# KiCad board raw.kicad_pcb (continued)
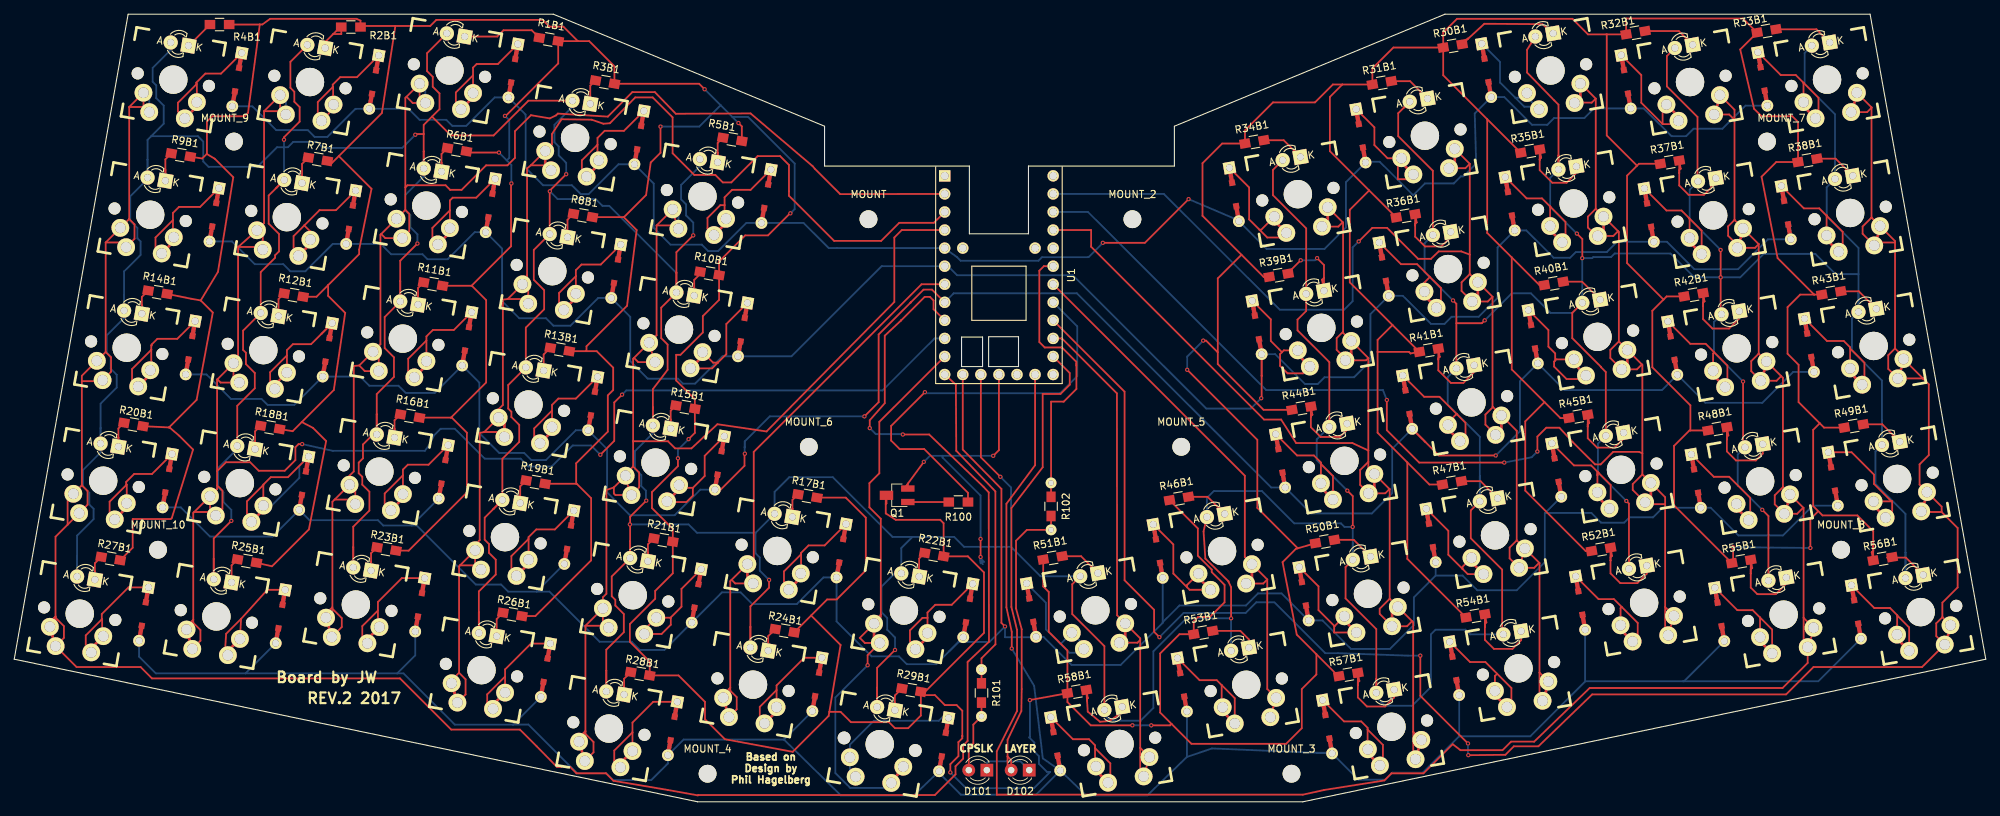
[diagram p0: board, top side]
## Routing (per net, layer and track width the routed paths; a pad name or vN(x,y) marks a point on that pad's centre or on a via; arc(x,y) is an arc through that point)
Net-(D1-Pad1): length 278.8
  Top w0.254: v1(152.95,78.6) 158.85,78.6 v1(165,84.75)
  Bottom w0.254: 115.56,77.86 114.44,77.86 110.9,81.4 D5.1 102.85,81.4 98.9,77.45 97.5,77.45 96.6,78.35 92.2,78.35 89.85,80.7 89.85,86.94 D3.1 84.9,89.65 80.7,85.45 79.6,85.45 78.35,86.7 74.3,86.7 71.85,89.15 71.85,96.64 D1.1 67.5,99.05 63.5,95.05 61.55,95.05 60.7,95.9 56.95,95.9 55.4,97.45 D2.1 47.95,97.45 44,93.5 42.2,93.5 41.25,94.45 36.8,94.45 33.45,97.8 D4.1 ; 115.56,77.86 115.58,77.86 ; 115.56,77.86 115.58,77.86 ; D31.1 189.96,90 ; 189.96,90 187.1,87.14 187.1,80.75 184.1,77.75 175.96,77.75 D34.1 ; 189.96,90 191.85,90 196.55,85.3 198.2,86.95 202.25,86.95 203.25,87.95 203.55,87.95 203.75,88.1 205.4,89.75 205.2,96.79 D30.1 209.35,99.1 213.25,95.2 215.4,95.2 216.35,96.15 220.6,96.15 221.95,97.5 D32.1 228.95,97.5 232.85,93.6 234.9,93.6 235.95,94.65 240,94.65 243.25,97.9 D33.1 ; v1(152.95,78.6) 150.94,76.59 144.41,76.59 143.9,76.08 132.98,76.08 132.47,76.59 130.73,77.82 U1.5 115.58,77.86 ; 171.99,81.72 D34.1 ; 171.99,81.72 171.91,81.8 v1(165,84.75) ; 171.99,81.72 D34.1
Net-(D1-Pad2): length 22.3
  Top w0.254: 62.05,98.35 62.77,97.63 62.77,97.51 ; 62.05,98.35 62.05,99.75 64.46,102.16 ; 62.05,98.35 62.05,98.1 SW_1.SW2 ; 64.46,102.16 64.46,100.33 ; 64.46,102.16 64.46,103.24 64.97,103.75 67.96,103.75 D1.2 ; 64.46,100.33 64.46,99.67 64.46,100.33 ; 62.77,97.51 SW_1.SW2 ; 62.77,97.51 SW_1.SW2
  Top w0.381: 64.46,99.67 64.46,99.08 SW_1.SW2
Net-(D2-Pad2): length 21
  Top w0.254: 51.2,104.94 D2.2 51.2,104.94 ; 51.2,104.94 48.16,101.9 45.8,101.9 44.75,100.85 44.75,100.5 ; 44.83,98.08 44.8,98.11 44.8,100.55 44.75,100.5 ; 44.83,98.08 44.86,98.05 SW_2.SW2 ; 44.83,98.08 SW_2.SW2 ; 44.75,100.5 42.65,98.4 42.65,96.29 SW_2.SW2 ; SW_2.SW2 44.86,97.46 SW_2.SW2 ; SW_2.SW2 42.73,95.77
  Top w0.381: 44.86,97.46 SW_2.SW2
Net-(D3-Pad2): length 21
  Top w0.254: 80.42,87.92 79.53,87.92 ; 80.42,87.92 SW_3.SW2 ; 80.42,87.92 79.75,88.59 79.75,90.2 81.95,92.4 ; 81.95,92.4 81.95,93.35 82.95,94.35 85.66,94.35 D3.2 ; 81.95,92.4 81.95,90.36 82.03,90.28 ; 82.03,90.28 82.11,90.2 ; 82.03,90.28 82.11,90.2
  Top w0.381: 82.11,90.2 82.11,89.61 80.42,87.92
Net-(D4-Pad2): length 22.1
  Top w0.254: 23.1,96.9 23.89,96.11 SW_4.SW2 23,97.07 23,98.3 25.58,100.87 ; D4.2 29.06,102.4 26.85,102.4 25.58,101.12 25.58,100.87 ; 25.66,99.05 25.66,98.39 25.66,99.05 ; 25.66,99.05 25.66,100.96 25.58,100.87
  Top w0.381: SW_4.SW2 25.66,97.8 25.66,98.39
Net-(D5-Pad2): length 20.3
  Top w0.254: 98.32,79.7 97.4,80.62 97.4,82.1 99.2,83.9 99.8,83.9 ; 100.01,81.98 99.91,82.09 ; 99.91,82.09 SW_5.SW2 ; 99.91,82.09 99.8,82.19 99.8,83.9 ; D5.2 103.46,86.05 100.85,86.05 99.8,85 99.8,83.9
  Top w0.381: 100.01,81.98 100.01,81.39 SW_5.SW2 98.32,79.7
Net-(D6-Pad2): length 21.8
  Top w0.254: 61.21,81.33 61.21,83.16 ; 61.21,81.33 61.21,80.67 ; 61.21,81.33 61.21,81.33 61.21,80.67 ; 61.21,83.16 61.21,84.56 61.6,84.95 64.91,84.95 D6.2 ; 61.21,83.16 58.75,80.7 58.75,79.15 59.52,78.39 58.96,78.39
  Top w0.381: 59.52,78.39 SW_6.SW2 61.21,80.08 61.21,80.67
Net-(D7-Pad2): length 20.1
  Top w0.254: 40.75,81.05 39.25,79.55 39.25,77.44 SW_7.SW2 ; 40.75,81.05 41.61,80.19 41.61,79.05 ; 40.75,81.05 42.9,83.2 45.21,83.2 D7.2 ; 41.61,78.75 41.61,78.75 SW_7.SW2
  Top w0.381: 41.61,79.05 41.61,78.46 39.92,76.77
Net-(D8-Pad2): length 21.2
  Top w0.254: 77.22,69.17 76.55,69.84 76.55,71.55 78.91,73.91 ; 77.22,69.17 76.78,69.17 ; 77.22,69.17 SW_8.SW2 ; 78.91,73.91 78.91,74.76 79.7,75.55 82.41,75.55 D8.2 ; 78.91,73.91 78.91,72.11 ; 78.91,72.11 78.91,72.11 SW_8.SW2 ; 78.91,72.11 78.91,71.45
  Top w0.381: 77.22,69.17 78.91,70.86 78.91,71.45
Net-(D9-Pad2): length 22.6
  Top w0.254: 19.9,77.92 19.85,77.97 19.85,79.35 22.3,81.8 ; 19.9,77.92 20.72,77.11 19.9,77.92 ; 22.3,81.8 22.3,82.8 23.15,83.65 26.11,83.65 D9.2 ; 22.3,81.8 22.3,79.5 22.36,79.44 ; 22.36,79.44 23.1,78.7 ; 22.36,79.44 22.41,79.39
  Top w0.381: 22.41,79.39 22.41,78.8 SW_9.SW2 20.72,77.11
Net-(D10-Pad1): length 300.8
  Top w0.254: v1(175.2,56.75) 175.26,56.81 175.26,59.88 ; 175.26,59.88 D39.1 175.26,59.88
  Bottom w0.254: v1(175.2,56.75) 173.75,55.3 167.47,55.3 148.72,74.05 132.47,74.05 131.2,75.32 U1.6 121.87,75.32 109.19,62.64 101.69,62.64 ; D9.1 30.6,78.8 33.8,75.6 37.8,75.6 38.8,74.6 40.9,74.6 44.75,78.45 D7.1 51.5,78.45 52.95,77 57.35,77 58.05,76.3 60.9,76.3 64.7,80.1 D6.1 68.55,77.79 68.55,70.4 70.95,68 74.7,68 75.75,66.95 78.15,66.95 82.05,70.85 D8.1 86.55,68.19 86.55,61.95 89,59.5 93.25,59.5 93.95,58.8 95.65,58.8 99.49,62.64 101.69,62.64 ; 101.69,62.64 D10.1 ; D39.1 177.15,62.95 181.35,58.75 183.15,58.75 184.1,59.7 188.25,59.7 190.55,62 190.55,68.59 D36.1 195.1,71.15 199.05,67.2 200.95,67.2 201.95,68.2 205.75,68.2 208.4,70.85 208.4,77.94 D35.1 212.45,80.35 216.3,76.5 218.6,76.5 219.4,77.3 223.75,77.3 225.2,78.75 D37.1 232.2,78.75 236.05,74.9 242.2,74.9 246.4,79.1 D38.1
Net-(D10-Pad2): length 21.5
  Top w0.254: 103.01,70.15 D10.2 103.01,70.15 ; 103.01,70.15 100.05,67.19 100.05,62.95 98.88,61.77 ; 98.88,61.77 98.85,61.75 ; 98.88,61.77 98.85,61.75 ; 98.85,61.75 98.19,61.75 96.71,63.23 ; 98.85,61.75 98.05,60.95 SW_10.SW2 95.02,60.95 ; 95.02,60.95 95.77,60.2 ; 95.02,60.95 94.9,60.95 ; SW_10.SW2 96.71,62.94 96.71,62.94
  Top w0.381: 95.02,60.95 96.71,62.64 96.71,63.23
Net-(D11-Pad1): length 318.5
  Top w0.254: 198.25,50.61 D41.1 198.25,50.61 ; 198.25,50.61 200.16,48.7 v1(208.15,48.7) ; v1(102.65,48.95) 102.6,48.9 102.6,47.25 99.25,43.9 D15.1 ; 125.92,70.18 121.45,65.72 121.45,56.2 v1(119.45,54.2) ; 125.92,70.18 125.97,70.24 ; 125.92,70.18 125.97,70.24 ; U1.8 128.95,72.02 127.75,72.02 125.97,70.24
  Bottom w0.254: v1(208.15,48.7) 211.55,52.1 211.55,59.14 D40.1 217.81,57.9 231.51,57.9 D42.1 237.61,56.1 245.6,56.1 249.95,60.45 D43.1 ; D14.1 27,60.1 30.45,56.65 34.75,56.65 35.6,55.8 39.34,55.8 D12.1 48.6,59.8 49.9,58.5 54,58.5 55,57.5 59.09,57.5 D11.1 65.35,58.94 65.35,51.85 68.15,49.05 71.65,49.05 72.65,48.05 74.7,48.05 78.9,52.25 D13.1 83.3,49.59 83.3,43.5 86.5,40.3 92.8,40.3 96.4,43.9 D15.1 ; D41.1 193.6,49.64 193.6,43.4 190.75,40.55 182.21,40.55 D44.1 176.6,44.2 149.29,71.51 132,71.51 U1.8 ; 102.62,50.67 102.62,49.82 ; 102.62,49.82 102.62,48.97 v1(102.65,48.95) ; 102.62,49.82 102.65,49.85 102.65,50.7 106.15,54.2 v1(119.45,54.2)
Net-(D11-Pad2): length 21.9
  Top w0.254: 57.91,64.86 57.91,65.44 58.82,66.35 61.76,66.35 D11.2 ; 57.91,64.86 57.91,62.63 ; 57.91,64.86 55.35,62.3 55.35,60.55 56.22,59.69 55.81,59.69 ; 57.91,61.97 57.91,62.63 ; 57.91,62.63 57.91,62.63 57.91,61.97
  Top w0.381: 57.91,61.97 57.91,61.38 SW_11.SW2 56.22,59.69
Net-(D12-Pad2): length 25.2
  Top w0.254: 43.19,65.83 41.71,64.35 39.15,64.35 38.31,63.51 38.31,62.76 ; 43.19,65.83 D12.2 43.19,65.83 ; SW_12.SW2 36.62,58.07 ; 36.62,58.07 35.95,58.74 35.95,60.4 38.31,62.76 ; 36.62,58.07 36.62,58.66 ; 36.62,58.66 38.31,60.35 ; 36.62,58.66 38.31,60.35 ; 38.31,60.35 38.31,61.01 ; 38.31,61.01 38.31,61.01 SW_12.SW2 ; 38.31,61.01 38.31,62.76
Net-(D13-Pad2): length 21.1
  Top w0.254: 75.56,53.36 75.56,52.7 75.56,53.36 ; 75.56,53.36 75.56,55.01 ; 73.87,50.42 73.05,51.24 73.05,52.5 75.56,55.01 ; 73.87,50.42 SW_13.SW2 ; 73.87,50.42 73.58,50.42 ; 75.56,55.01 75.56,55.81 76.45,56.7 78.91,56.7 D13.2
  Top w0.381: 73.87,50.42 75.56,52.11 75.56,52.7
Net-(D14-Pad2): length 22.3
  Top w0.254: 19.25,63.6 19.25,64.15 19.3,64.15 19.3,64.3 20.1,65.1 22.91,65.1 D14.2 ; 19.25,63.6 19.25,63.55 ; 19.25,63.6 19.25,63.55 ; 19.25,63.55 16.55,60.85 16.55,59.27 17.42,58.41 ; 19.25,63.55 19.25,60.83 19.11,60.69 19.9,59.9 ; 19.11,60.69 19.11,60.39 19.11,60.39
  Top w0.381: 19.11,60.69 19.11,60.1 SW_14.SW2 17.42,58.41
Net-(D15-Pad2): length 20.7
  Top w0.254: 90.9,43 91.65,42.25 91.72,42.25 91.82,42.15 94.45,42.15 95.35,43.05 95.35,44.15 ; D15.2 97.01,48.65 97.01,45.81 95.35,44.15 ; 95.35,44.15 93.79,44.15 93.41,44.53 ; 93.41,44.24 93.41,44.24 SW_15.SW2
  Top w0.381: 93.41,44.53 93.41,43.94 SW_15.SW2 91.72,42.25
Net-(D16-Pad1): length 357.9
  Top w0.254: 133.27,60.53 U1.13 133.27,49.53 138.7,44 138.7,25.15 v1(139.2,24.65)
  Bottom w0.254: 55.84,38.85 51.85,38.85 51.1,39.6 41.49,39.6 D18.1 36.29,37.3 27.5,37.3 23.4,41.4 D20.1 ; 55.84,38.85 D16.1 ; 55.84,38.85 56.55,38.85 64.85,30.55 68.4,30.55 69.4,29.55 73.39,29.55 73.4,29.55 ; 132.67,22.47 131.35,21.16 ; 132.67,22.47 133.34,23.14 D22.1 ; 132.67,22.47 131.35,21.16 ; 132.67,22.47 137.02,22.47 v1(139.2,24.65) 139.2,23.14 143.51,23.14 D51.1 144.6,23.2 148.55,19.25 155.45,19.25 161.36,25.16 161.36,25.25 ; 131.35,21.16 129.55,19.35 125.4,19.35 124.3,20.45 120.45,20.45 115.54,25.36 D17.1 113.7,31.55 109.95,27.8 103.7,27.8 102.05,29.45 99.44,29.45 D21.1 91.34,21.35 87.9,21.35 86.75,22.5 82.25,22.5 75.2,29.55 73.4,29.55 ; 161.36,25.25 D46.1 ; 161.36,25.25 163.71,27.6 173.05,27.6 174.75,29.3 178.06,29.3 D50.1 183.8,25.5 187.8,21.5 193.3,21.5 196.65,24.85 196.65,28.75 199.71,31.81 ; 199.71,31.81 203.49,31.81 205.55,29.75 211.1,29.75 215.05,33.7 215.05,40.59 215.08,40.62 ; 199.71,31.81 D47.1 ; D49.1 252.7,41.65 248.5,37.45 242.25,37.45 238.35,41.35 D48.1 231.6,41.35 230.25,40 226.95,40 226.2,39.25 222.95,39.25 221.58,40.62 215.08,40.62 ; 73.4,29.55 D19.1 ; 215.08,40.62 D45.1
Net-(D16-Pad2): length 21.7
  Top w0.254: 54.61,45.91 54.61,46.71 55.3,47.4 58.21,47.4 D16.2 ; 54.61,45.91 54.61,43.93 ; 54.61,45.91 52.05,43.35 52.05,41.85 52.92,40.99 52.41,40.99 ; 54.61,43.93 54.61,43.93 54.61,43.27 ; 54.61,43.93 54.61,43.27
  Top w0.381: 54.61,43.27 54.61,42.68 SW_16.SW2 52.92,40.99
Net-(D17-Pad2): length 20.4
  Top w0.254: 110.55,34.8 108.15,32.4 108.15,30.5 108.82,29.83 ; 110.55,34.8 110.55,32.15 110.51,32.11 ; 110.55,34.8 110.55,35 111.6,36.05 113.86,36.05 D17.2 ; 110.51,31.81 110.51,31.81 110.51,32.11
  Top w0.381: 108.82,29.83 SW_17.SW2 110.51,31.52 110.51,32.11
Net-(D18-Pad2): length 31.7
  Top w0.254: SW_18.SW2 35.01,41.65 ; 35.01,41.65 35,41.66 35,44.55 ; 35.01,41.65 35.01,41.65 ; 34.17,40.21 SW_18.SW2 ; 33.32,39.37 32.7,39.99 32.7,42.25 35,44.55 ; 35,44.55 35,44.6 36.05,45.65 38.46,45.65 D18.2
  Top w0.381: 35.01,41.65 35.01,41.06 33.32,39.37
  Bottom w0.254: SW_18.SW2 36.16,41.65 40.06,45.55 40.06,47.25 D18.2
Net-(D19-Pad2): length 21.4
  Top w0.254: 72.26,36.96 69.85,34.55 69.85,32.49 SW_19.SW2 70.33,31.77 ; 72.26,36.96 72.26,34.71 ; 72.26,36.96 72.26,37.21 73.35,38.3 75.96,38.3 D19.2 ; 72.26,34.71 SW_19.SW2 72.26,34.71
  Top w0.381: SW_19.SW2 72.26,33.46 SW_19.SW2
Net-(D20-Pad2): length 21.9
  Top w0.254: 15.81,42.65 15.81,44.61 15.73,44.52 ; 15.81,42.65 15.81,42.65 15.81,41.99 ; 15.81,42.65 15.81,41.99 16.49,41.31 ; 15.73,44.52 13.4,42.2 13.4,40.42 14.12,39.71 ; 15.73,44.52 15.73,44.97 16.85,46.1 19.36,46.1 D20.2
  Top w0.381: 14.12,39.71 SW_20.SW2 15.81,41.4 15.81,41.99
Net-(D21-Pad2): length 19.7
  Top w0.254: 92.2,25.88 SW_21.SW2 90.21,25.88 88.52,24.19 88.52,23.78 ; 92.2,25.88 92.22,25.88 92.25,25.85 92.25,24.9 90.95,23.6 88.52,23.6 ; 92.2,25.88 93.75,27.43 93.75,29.94 D21.2 ; 88.52,23.69 88.52,23.78 ; 88.52,23.69 88.52,23.78 ; 88.52,23.69 88.52,23.6 ; 88.52,23.69 88.52,23.6 ; 88.52,23.69 88.52,23.69 SW_21.SW2
  Top w0.381: 90.21,25.29 90.21,25.88
Net-(D22-Pad2): length 20.8
  Top w0.254: 128.31,24.4 128.31,24.4 SW_22.SW2 ; 128.31,24.4 128.31,23.73 ; 128.31,24.4 128.31,25.86 ; 134.66,30.65 D22.2 134.66,30.65 ; 134.66,30.65 131.71,27.7 129.4,27.7 128.31,26.61 128.31,25.86 ; 128.31,25.86 127.61,25.86 125.85,24.1 125.85,22.22 126.62,21.45 126.55,21.45
  Top w0.381: 128.31,23.73 128.31,23.14 SW_22.SW2 126.62,21.45
Net-(D23-Pad1): length 388.8
  Top w0.254: U1.17 143.43,47.33 139.4,41.9 139.4,27.35 140.15,23.9 v1(140.15,21.55)
  Bottom w0.254: D58.1 144.51,6.1 143.3,16.3 v1(140.15,21.55) ; D58.1 143.56,1 133,1 129.94,4.06 D29.1 ; D58.1 150.61,0.9 159.2,0.9 164.76,6.31 ; 129.94,4.29 130.04,4.4 ; 129.94,4.29 D29.1 ; 129.94,4.29 D29.1 ; 203.01,9.21 213.01,9.21 220.71,16.91 220.71,16.95 ; 203.01,9.21 197.9,4.1 193.65,4.1 192.65,3.1 188.86,3.1 D57.1 ; 203.01,9.21 D54.1 ; D24.1 108.14,8.75 ; 108.14,8.75 94.04,8.75 D28.1 91.84,5.39 89.5,3.05 84.15,3.05 83.15,4.05 79.05,4.05 72.25,10.85 70.09,10.85 ; 108.14,8.75 116.14,0.9 126.4,0.9 D29.1 ; 164.76,6.31 D53.1 ; 164.76,6.31 168.28,7.5 182.99,6.89 ; 220.71,16.95 234.45,16.95 ; 220.71,16.95 D52.1 ; D27.1 17.54,20.41 19.89,18.06 32.5,18.06 ; 32.5,18.06 D25.1 ; 32.5,18.06 53.81,18.06 ; 70.09,10.85 D26.1 ; 70.09,10.85 70.09,10.85 61.9,10.85 54.69,18.06 53.81,18.06 ; D57.1 182.99,6.89 ; D57.1 185.07,6.89 182.99,6.89 ; 53.81,18.06 56.34,20.59 D23.1 ; 234.45,16.95 234.61,16.95 ; 234.45,16.95 234.61,16.95 ; D56.1 253.46,16.95 234.61,16.95 ; 234.61,16.95 D55.1
Net-(D23-Pad2): length 23.3
  Top w0.254: 48.95,22.95 48.9,23 48.9,24.7 51.1,26.9 ; 48.95,22.95 49.62,22.29 ; 48.95,22.95 49.62,22.29 ; 51.1,26.9 51.1,24.78 51.31,24.57 ; 51.1,26.9 51.1,28.1 54.45,31.45 D23.2 ; 50.47,23.72 51.31,24.57 ; 49.62,22.29 49.16,22.29 ; SW_23.SW2 49.62,22.58 49.62,22.58
  Top w0.381: 51.31,24.57 49.62,22.88 49.62,22.29
Net-(D24-Pad2): length 20.2
  Top w0.254: 107.11,15.71 107.11,16.36 111,20.25 D24.2 ; 107.11,15.71 104.75,13.35 104.75,11.69 105.42,11.03 ; 107.11,15.71 107.11,13.31 ; 107.11,13.01 107.11,13.01 107.11,13.31
  Top w0.381: 105.42,11.03 SW_24.SW2 107.11,12.72 107.11,13.31
Net-(D25-Pad2): length 21.2
  Top w0.254: 30.87,22.05 31.71,22.9 ; 31.88,25.72 31.7,22.91 31.71,22.9 ; 31.88,25.72 35.55,29.8 D25.2 ; 31.88,25.72 29.78,23.62 29.6,21.04 30.02,20.62 SW_25.SW2
  Top w0.381: 30.02,20.62 30.02,21.21 31.71,22.9
Net-(D26-Pad2): length 21.1
  Top w0.254: 67.45,13.25 SW_26.SW2 66.45,13.89 66.45,15.1 68.96,17.61 ; 68.96,17.61 68.96,16.01 ; 68.96,17.61 68.96,18.61 72.6,22.25 D26.2 ; 68.96,16.01 SW_26.SW2 ; 68.96,16.01 SW_26.SW2 ; SW_26.SW2 68.85,15.24
  Top w0.381: SW_26.SW2 67.27,13.66 SW_26.SW2
Net-(D27-Pad2): length 21
  Top w0.254: 12.51,23.29 12.43,23.37 ; 12.43,23.37 12.51,23.29 ; 12.43,23.37 12.35,23.45 12.35,25.7 12.3,25.65 ; 10.82,21.3 10.82,21.3 SW_27.SW2 ; 12.3,25.65 10.05,23.4 10.05,21.77 10.82,21.01 11.01,21.2 ; 12.3,25.65 12.3,26.4 16.05,30.15 D27.2
  Top w0.381: 10.82,21.01 10.82,21.59 12.51,23.29
Net-(D28-Pad2): length 22.3
  Top w0.254: 86.86,9.76 84.3,7.2 84.3,5.72 SW_28.SW2 85.17,5.15 ; 86.86,9.76 SW_28.SW2 86.02,6.29 86.02,6.29 ; 86.86,9.76 86.86,11.14 89.77,14.05 D28.2
  Top w0.381: SW_28.SW2 85.17,5.44 SW_28.SW2
Net-(D29-Pad2): length 21.1
  Bottom w0.254: 117.41,6.38 117.41,6.51 ; 117.41,6.38 SW_29.SW2 ; 117.41,6.38 117.41,6.51 ; 117.41,6.38 SW_29.SW2 ; 117.41,6.38 SW_29.SW2 ; 117.41,6.51 117.41,8.02 120.77,11.39 129.9,11.39 130.68,12.17 130.79,12.24 ; 130.79,12.24 130.9,12.32 ; 130.79,12.24 130.82,12.24 D29.2 ; SW_29.SW2 118.22,3.53 117.41,4.34 SW_29.SW2
Net-(D30-Pad2): length 20.5
  Top w0.254: SW_30.SW2 214.23,97.44 214.65,97.85 ; 212.54,99.42 212.54,99.67
  Top w0.381: 212.54,99.72 212.54,99.13
  Bottom w0.254: 210.9,99 211.87,99 212.54,99.67 212.54,99.08 SW_30.SW2 214.23,97.97 214.01,97.75 212.15,97.75 210.9,99 ; 210.9,99 208.75,101.15 208.75,104.04 D30.2
Net-(D31-Pad2): length 19.9
  Top w0.254: 196.58,88.22 197.05,88.69 ; 196.58,88.22 195.91,87.55 194.4,87.55 194.4,90.01 194.89,90.5 192.95,90.5 191.1,92.35 191.1,94.84 D31.2 ; 196.58,88.22 SW_31.SW2
  Top w0.381: 196.58,88.22 194.89,89.91 194.89,90.5
Net-(D32-Pad2): length 21.7
  Top w0.254: 231.6,95.3 231.6,97.51 SW_32.SW2 232.98,97.2 232.99,97.2 ; 231.6,95.3 233.36,95.3 SW_32.SW2 ; 231.6,95.3 228.6,98.3 228.6,102.19 D32.2
  Top w0.381: SW_32.SW2 233.83,96.36 SW_32.SW2
Net-(D33-Pad2): length 20.3
  Top w0.254: 251.39,98.39 251.39,101.11 ; 251.39,101.11 251.4,101.1 ; 251.39,101.11 251.4,101.12 251.4,101.1 ; 251.39,101.11 250.3,102.2 248.19,102.2 D33.2 ; 251.39,98.09 251.39,98.09 251.39,98.39 ; 251.4,101.1 253.5,99 253.5,96.52 253.08,96.11
  Top w0.381: 251.39,98.39 251.39,97.8 SW_33.SW2 253.08,96.11
Net-(D34-Pad2): length 22.3
  Top w0.254: 174.95,80.45 176.05,79.35 178.08,79.35 179.3,80.57 ; 174.95,80.45 175.21,80.45 SW_34.SW2 ; 174.95,80.45 173.5,81.9 173.5,86.39 D34.2 ; SW_34.SW2 177.04,82.69 ; SW_34.SW2 177.04,81.99
  Top w0.381: 178.73,80 SW_34.SW2 177.04,81.69 SW_34.SW2
Net-(D35-Pad2): length 20.5
  Top w0.254: 215.79,81.5 215.79,81.5 215.79,80.97 ; 215.79,81.5 215.79,83.71 ; 215.79,81.5 215.79,80.97 ; 215.79,83.71 214.65,84.85 212.49,84.85 D35.2 ; 215.79,83.71 215.85,83.65 ; 215.79,83.71 215.85,83.65 ; 215.85,83.65 217.95,81.55 217.95,79.15 217.48,78.69
  Top w0.381: 217.48,78.69 SW_35.SW2 215.79,80.38 215.79,80.97
Net-(D36-Pad2): length 20
  Top w0.254: 198.9,73.8 198.14,73.04 SW_36.SW2 198.14,71.45 ; 198.9,73.8 200.45,72.25 200.45,70.09 SW_36.SW2 ; 198.9,73.8 197.1,75.6 194.84,75.6 D36.2
  Top w0.381: SW_36.SW2 198.14,71.16 SW_36.SW2
Net-(D37-Pad2): length 19.9
  Top w0.254: 235.3,82.1 235.3,82.05 235.39,81.96 235.39,79.3 ; 235.3,82.1 234.25,83.15 232.14,83.15 D37.2 ; 235.3,82.1 237.08,80.32 237.08,77.02 SW_37.SW2 ; 235.39,79.3 235.39,79 235.39,79
  Top w0.381: 237.08,77.02 235.39,78.71 235.39,79.3
Net-(D38-Pad2): length 20.5
  Top w0.254: 254.7,82.35 254.64,82.41 ; 254.7,82.35 256.9,80.15 256.9,77.92 SW_38.SW2 ; 254.7,82.35 254.7,82.45 254.68,82.45 254.64,82.41 ; 254.64,82.41 SW_38.SW2 254.64,79.34 ; 254.64,82.41 253.6,83.45 251.44,83.45 D38.2
  Top w0.381: SW_38.SW2 254.64,79.05 SW_38.SW2
Net-(D39-Pad2): length 22.2
  Top w0.254: 178.12,63.22 176.55,64.8 176.55,67.84 D39.2 ; 178.12,63.22 177.85,62.95 177.85,61.3 178.9,60.25 181.08,60.25 182.65,61.82 ; 178.12,63.22 178.38,63.48 SW_39.SW2
  Top w0.381: 182.03,61.2 SW_39.SW2 180.34,62.89 SW_39.SW2
Net-(D40-Pad2): length 21.1
  Top w0.254: 216.5,62.05 216.35,61.9 216.35,61.2 218.1,59.45 220.35,59.45 SW_40.SW2 221.15,60.25 ; 216.5,62.05 216.5,63.05 215.55,64 215.55,66.34 D40.2 ; 216.5,62.05 216.67,62.22 SW_40.SW2
  Top w0.381: SW_40.SW2 219.14,61.63 SW_40.SW2
Net-(D41-Pad2): length 19.8
  Top w0.254: SW_41.SW2 203.13,50.72 203.9,51.49 203.9,53.3 202.75,54.45 ; 202.65,54.55 200.25,56.95 198.09,56.95 D41.2 ; 202.65,54.55 202.75,54.45 ; 202.65,54.55 201.44,53.34 201.44,53.17 ; 202.65,54.55 202.75,54.45 ; 201.44,53.17 201.44,53 201.44,53.17
  Top w0.381: 203.13,50.72 201.44,52.41 201.44,53
Net-(D42-Pad2): length 20
  Top w0.254: 238.85,63.2 240.7,61.35 240.7,58.64 240.38,58.32 SW_42.SW2 ; 238.85,63.2 238.69,63.04 238.69,60.6 ; 238.85,63.2 237.65,64.4 235.49,64.4 D42.2 ; 238.69,60.6 238.69,60.3 238.69,60.3
  Top w0.381: 238.69,60.6 238.69,60.01 240.38,58.32
Net-(D43-Pad2): length 22.2
  Top w0.254: 258.45,61.45 SW_43.SW2 ; SW_43.SW2 257.94,61.47 ; SW_43.SW2 257.94,61.47 ; 260.25,59.27 SW_43.SW2 259.95,58.97 259.95,61.75 257.94,63.76 ; 257.94,61.47 257.94,63.76 ; 257.94,63.76 257.94,63.91 257.05,64.8 254.69,64.8 D43.2
  Top w0.381: SW_43.SW2 257.94,60.35 SW_43.SW2
Net-(D44-Pad2): length 20.2
  Top w0.254: 183.59,45.32 183.59,47.51 ; 183.59,45.32 183.59,45.32 SW_44.SW2 ; 183.59,45.32 183.59,44.78 ; 183.59,47.51 183.59,47.6 ; 183.59,47.51 183.59,47.6 ; 183.59,47.51 185.28,45.82 185.28,42.5 ; D44.2 180.24,48.7 182.6,48.7 183.59,47.71 183.59,47.6
  Top w0.381: 185.28,42.5 SW_44.SW2 183.59,44.19 183.59,44.78
Net-(D45-Pad2): length 20.9
  Top w0.254: D45.2 219.14,47.3 221.55,47.3 222.44,46.41 ; SW_45.SW2 224.3,41.4 224.3,44.55 222.6,46.25 ; 222.44,44.05 222.44,45.9 ; 222.44,44.05 SW_45.SW2 222.44,44.05 ; 222.44,45.9 222.44,46.09 ; 222.44,45.9 222.44,46.09 ; 222.44,46.41 222.44,46.09 ; 222.44,46.41 222.45,46.4 ; 222.44,46.41 222.45,46.4 ; 222.44,46.09 222.6,46.25 ; 222.6,46.25 222.45,46.4
  Top w0.381: SW_45.SW2 222.44,42.93 SW_45.SW2
Net-(D46-Pad2): length 20.7
  Top w0.254: 168.08,29.81 168.08,29.81 SW_46.SW2 ; 168.08,29.81 165.14,29.81 164.78,30.17 ; 168.08,29.81 168.5,30.23 ; D46.2 162.85,36.19 162.85,32.1 164.78,30.17 ; 164.78,30.17 164.78,30.48 166.39,32.09 ; 166.39,31.8 166.39,31.8 SW_46.SW2
  Top w0.381: 168.08,29.81 166.39,31.5 166.39,32.09
Net-(D47-Pad2): length 20
  Top w0.254: 203.48,32.75 204.21,32.02 206.43,32.02 ; 203.48,32.75 203.48,33.04 204.74,34.3 204.74,34 ; 203.48,32.75 201.49,34.74 201.49,38.1 D47.2 ; SW_47.SW2 206.43,32.02 ; 206.43,32.02 207,32.59
  Top w0.381: 204.74,34.3 204.74,33.71 206.43,32.02
Net-(D48-Pad2): length 17.3
  Top w0.254: SW_48.SW2 243.68,39.62 243.9,39.84 243.9,42.75 240.95,45.7 238.79,45.7 D48.2 ; 241.99,41.6 241.99,41.6 241.99,41.9
  Top w0.381: 241.99,41.9 241.99,41.31 243.68,39.62
Net-(D49-Pad2): length 20.8
  Top w0.254: 261.25,42.24 SW_49.SW2 261.25,42.24 ; 261.25,42.24 261.25,42.25 263.75,42.25 ; 263.75,42.25 261.3,44.7 261.3,46 258.15,49.15 D49.2 ; 263.75,42.25 263.85,42.25 263.85,40.87 SW_49.SW2
  Top w0.381: SW_49.SW2 261.24,41.65 SW_49.SW2
Net-(D50-Pad2): length 20.7
  Top w0.254: D50.2 183.25,30.29 183.25,26.95 185.5,24.7 ; SW_50.SW2 186.89,25.79 186.89,25.79 ; 185.5,24.7 185.45,24.64 185.45,23.8 188.58,23.8 189.35,24.57 ; 185.5,24.7 186.89,26.08
  Top w0.381: 186.89,26.08 186.89,25.49 SW_50.SW2 188.58,23.8
Net-(D51-Pad2): length 21.4
  Top w0.254: 150.28,21.48 150.47,21.67 ; 150.47,21.67 150.65,21.85 ; 150.47,21.67 SW_51.SW2 ; SW_51.SW2 148.59,23.47 148.59,23.47
  Top w0.381: 148.59,23.76 148.59,23.18
  Bottom w0.254: 148.59,23.76 147.07,22.25 146.95,22.25 ; 148.59,23.76 150.28,22.07 150.28,21.48 ; 148.59,23.76 SW_51.SW2 ; SW_51.SW2 150.28,21.48 ; 150.28,21.48 149.75,20.95 148.25,20.95 146.95,22.25 ; 146.95,22.25 144.95,24.25 144.95,27.99 D51.2
Net-(D52-Pad2): length 20.3
  Top w0.254: D52.2 222.59,28.5 224.75,28.5 225.85,27.4 ; 225.85,27.4 225.69,27.24 225.69,24.82 ; 225.85,27.4 228.1,25.15 228.1,23.25 227.38,22.54 ; SW_52.SW2 225.69,24.52 225.69,24.52
  Top w0.381: 225.69,24.82 225.69,24.23 SW_52.SW2 227.38,22.54
Net-(D53-Pad2): length 20.8
  Top w0.254: D53.2 166.54,17.1 168.95,17.1 169.65,16.4 ; 169.65,16.4 171.48,14.57 171.48,11.01 171.8,11.33 ; 169.65,16.4 169.65,13.43 169.79,13.29 ; SW_53.SW2 169.79,13 169.79,13
  Top w0.381: 171.48,11.01 SW_53.SW2 169.79,12.7 169.79,13.29
Net-(D54-Pad2): length 20.1
  Top w0.254: D54.2 204.54,19.65 206.7,19.65 208.35,18 ; 208.04,15.3 208.04,15.6 208.04,17.69 208.35,18 ; 208.35,18 210.35,16 210.35,13.94 209.73,13.32 SW_54.SW2
  Top w0.381: 208.04,15.6 208.04,15.01 209.73,13.32
Net-(D55-Pad2): length 20.1
  Top w0.254: 245.29,25.91 244.25,26.95 242.09,26.95 D55.2 ; 245.29,25.91 245.29,23.68 ; 245.29,25.91 245.3,25.9 ; 245.29,25.91 245.3,25.9 ; 245.29,23.68 245.29,23.15 ; 245.29,23.68 245.29,23.68 SW_55.SW2 ; 245.3,25.9 246.98,24.22 246.98,20.87 SW_55.SW2
  Top w0.381: 246.98,20.87 245.29,22.56 245.29,23.15
Net-(D56-Pad2): length 20.7
  Top w0.254: 264.54,23.51 SW_56.SW2 ; 264.54,23.51 SW_56.SW2 ; 264.54,23.51 SW_56.SW2 ; 264.54,23.51 264.55,23.52 264.55,26.2 264.57,26.17 ; 264.54,23.51 264.98,23.95 ; 264.57,26.17 266.23,24.52 SW_56.SW2 266.6,21.6 ; 264.57,26.17 264.57,26.22 263.55,27.25 261.34,27.25 D56.2
  Top w0.381: SW_56.SW2 264.54,22.92 SW_56.SW2
Net-(D57-Pad2): length 20.4
  Top w0.254: 190.15,10.15 190.15,7.42 190.19,7.38 ; 190.15,10.15 192.3,8 192.3,5.52 191.88,5.1 ; 190.15,10.15 190.15,10.4 189.25,11.3 186.84,11.3 D57.2 ; SW_57.SW2 190.19,7.09 190.19,7.09
  Top w0.381: 190.19,7.38 190.19,6.79 SW_57.SW2 191.88,5.1
Net-(D58-Pad2): length 20.1
  Top w0.254: 153.68,2.68 154,3 154,5.4 151.85,7.55 ; 151.85,7.55 151.85,7.95 151,8.8 148.74,8.8 D58.2 ; 151.85,7.55 151.85,5.1 151.99,4.96 ; 151.99,4.67 151.99,4.67 SW_58.SW2
  Top w0.381: 151.99,4.96 151.99,4.38 SW_58.SW2 153.68,2.68
Net-(D101-Pad1): length 7.6
  Bottom w0.254: D101.1 136.65,5.48 136.85,5.68 141.38,5.68 D102.1
Net-(D101-Pad2): length 10.2
  Top w0.254: R101.2 R101.2 134.75,10.85 134.75,8.2 134.11,7.56 D101.2
Net-(D102-Pad2): length 42.4
  Top w0.254: R102.2 R102.2 142.28,38.24 140.75,36.71 140.75,27.2 141.55,24.25 141.55,15.85 141.5,12.75 139.56,8.71 139.56,6.37 ; 139.56,6.37 139.56,4.45 ; 139.56,6.37 140.07,5.86 D102.2
Net-(Q1-Pad1): length 47.5
  Top w0.254: 125.55,44.73 Q1.1 ; 125.55,44.73 v1(127.8,47.8) ; 125.55,44.73 125.05,44.05 ; v1(135.77,36.96) v1(135.77,34.42) ; U1.15 138.35,49.45 v1(137.55,48.65)
  Bottom w0.254: 135.77,33.73 135.77,33.98 ; 135.77,33.73 135.77,33.98 ; 135.77,33.73 135.77,33.53 ; 135.77,33.73 136.09,33.41 ; 135.77,33.98 136.09,33.66 ; 135.77,33.98 135.77,34.23 ; 135.77,33.98 135.77,34.23 ; 135.77,33.98 135.77,34.23 ; 135.77,34.23 136.28,33.73 ; 135.77,34.23 v1(135.77,34.42) ; 135.77,34.23 v1(135.77,34.42) ; 135.77,34.23 v1(135.77,34.42) ; 135.77,34.23 v1(135.77,34.42) ; 130.44,48.65 130.44,48.39 135.77,43.06 v1(135.77,36.96) ; 130.44,48.65 128.65,48.65 v1(127.8,47.8) ; 130.44,48.65 v1(137.55,48.65)
Net-(Q1-Pad2): length 6.2
  Top w0.254: 125.05,42.15 Q1.2 R100.2
Net-(Q1-Pad3): length 1537.1
  Top w0.254: 21.83,52.64 21.74,52.64 ; 21.83,52.64 23.19,51.46 25.12,49.52 22.15,39.93 21.98,39.76 16.64,39.76 16.64,35.73 R27B1.1 14.88,33.97 ; 21.83,52.64 21.74,52.64 ; 21.74,52.64 R20B1.1 18.08,52.82 ; 21.74,52.64 25.62,56.52 27.9,68.8 26.2,70.5 ; 57.09,54.02 57.08,54.02 R16B1.1 57.09,54.02 ; 57.09,54.02 61.35,54.02 ; 78.95,44.72 79.03,44.72 81.05,42.7 81.05,33.95 73.22,26.12 R26B1.1 ; 78.95,44.72 R19B1.1 74.58,44.72 ; 78.95,44.72 78.95,47.6 83.4,52.05 83.4,57.15 84.15,57.9 84.15,61.05 81.83,63.37 80.32,63.37 ; 61.35,54.02 61.48,54.02 63.6,51.9 63.6,43.5 55.42,35.32 R23B1.1 ; 61.35,54.02 66.3,58.97 66.3,70.55 64.28,72.57 64.25,72.57 ; 27.07,91.09 27.05,91.1 26.42,90.47 R9B1.1 ; 27.07,91.09 27.07,95.65 27.82,96.4 32.35,96.4 32.85,96.9 34.5,109.3 ; 27.07,91.09 28.18,90.42 30.78,87.82 28.62,74.52 26.2,70.5 ; v1(159.75,10.75) 162.4,10.75 162.6,10.95 ; 182.95,20.75 182.95,17.9 180.9,15.85 180.9,10.35 178.7,8.15 165.4,8.15 162.6,10.95 ; 182.95,20.75 180.19,23.5 178.2,33.7 180.07,35.57 180.34,35.64 ; 182.95,20.75 186.03,17.67 R57B1.1 186.12,17.67 ; 210.4,76.55 210.4,60.8 215,56.2 ; 210.4,76.55 206.95,80 206.95,95.99 ; 210.4,76.55 214.28,72.67 R40B1.1 ; 114.52,12.65 116.1,22.05 111.96,26.19 ; 114.52,12.65 114.43,12.07 109.38,7.02 99.85,8.8 97.05,11.6 97.05,14.05 93.33,17.77 R28B1.1 89.28,17.77 89.28,19.72 86.5,22.5 86.5,25 90.05,28.55 90.05,29.65 92.53,32.13 92.53,36.57 ; 114.52,12.65 116.1,12.65 117.55,11.2 122.9,11.2 123.75,10.35 125.6,10.35 127.38,12.13 127.38,15.47 ; 34.5,109.3 R4B1.1 ; 34.5,109.3 34.49,109.31 34.86,109.31 35.95,110.1 48.1,110.1 48.65,109.85 48.65,109.1 ; 252.89,71.32 250.92,71.32 249.15,69.55 249.15,63 250.7,61.45 250.7,56.2 253.68,53.22 ; 252.89,71.32 252.89,71.32 R43B1.1 ; 252.89,71.32 247.76,76.45 245.5,87.9 247.57,89.97 R38B1.1 250.62,89.97 250.62,95.59 249.82,96.4 245.5,96.4 244.45,97.45 242.5,105.79 R33B1.1 242.89,110.15 226.5,110.15 226.47,110.12 R32B1.1 223.75,107.92 ; 186.6,100.87 R31B1.1 190.82,100.87 190.82,103.12 193.77,106.07 R30B1.1 ; 186.6,100.87 185.27,100.87 182.75,98.35 176.85,98.35 172.92,94.42 172.92,92.57 R34B1.1 169.72,92.57 166.95,89.8 166.95,82.4 172.43,76.92 ; 186.6,100.87 184.85,99.12 184.85,91.49 190.37,85.97 ; 40.58,71.02 R12B1.1 42.47,71.02 44.1,72.65 ; 79.18,106.97 R1B1.1 76.43,103.83 69.05,96.45 v1(68.95,96.45) ; 79.18,106.97 77.15,109 75.2,109 74.25,109.95 59.3,109.95 58.45,109.1 53.55,109.1 ; 79.18,106.97 80.78,106.97 84.33,103.42 R3B1.1 96.23,100.97 v1(97,100.2) ; v1(131.52,4.13) 131.52,5.28 132.66,6.42 132.66,8.39 133.2,8.93 133.2,9.2 ; 165.72,23.57 165.72,23.72 ; 165.72,23.57 163.72,23.57 161,20.85 161,12.55 162.6,10.95 ; 165.72,23.57 165.72,23.72 ; 165.72,23.57 R53B1.1 ; 165.72,23.72 165.72,25.37 166.35,26 168,26 170.05,28.05 170.05,30.5 168.25,32.3 168.25,32.65 166.3,34.6 166.3,38.44 162.32,42.42 R46B1.1 ; 195.73,47.72 195.73,34.16 R54B1.1 ; 195.73,47.72 198.83,44.62 R47B1.1 ; 195.73,47.72 191.55,51.9 191.55,63.27 ; 223.75,107.92 223.75,93.7 228,89.45 ; 223.75,107.92 221.12,107.92 218.93,110.1 202.7,110.1 200.77,108.17 R30B1.1 ; 92.53,36.57 R21B1.1 ; 92.53,36.57 92.53,38.37 89.6,41.3 89.6,43.55 93.25,47.2 v1(93.25,48.3) ; 172.43,76.92 169.1,73.6 169.1,63.2 ; 172.43,76.92 175.53,73.82 R39B1.1 176.32,73.82 ; 122.45,41.87 122.45,43.2 ; 122.45,41.87 122.45,40.55 123.85,39.65 130.1,39.65 130.58,39.17 130.58,34.52 R22B1.1 133.98,34.52 136.25,32.25 136.25,23.75 127.97,15.47 127.38,15.47 ; 122.45,41.87 122.55,41.97 Q1.3 ; 221.62,35.27 R52B1.1 220.78,35.27 212.3,43.75 212.3,53.5 215,56.2 ; v1(167.05,64.85) 167.45,64.85 169.1,63.2 ; 253.37,40.77 252.36,39.76 v1(252.36,35.69) ; 235.5,52.22 R48B1.1 ; 235.5,52.22 235.37,52.22 233.2,50.05 233.2,41.69 241.32,33.57 ; 235.5,52.22 235.5,55.75 230.15,61.1 230.15,69.05 231.73,70.62 ; 112.78,42.77 R17B1.1 116.83,42.77 119.65,39.95 119.65,32.55 115.55,28.45 114.21,28.45 111.96,26.19 ; 48.65,109.1 53.55,109.1 ; 48.65,109.1 R2B1.1 ; v1(101.75,95.45) 102.23,94.97 R5B1.1 ; 241.32,33.57 241.5,33.74 v1(241.5,35.8) ; 241.32,33.57 R55B1.1 ; 191.55,63.27 191.55,64.95 193.64,67.04 ; 191.55,63.27 195.97,63.27 196.19,63.05 R41B1.1 ; 215,56.2 217.23,53.97 R45B1.1 218.42,53.97 ; 206.95,95.99 200.77,102.17 R30B1.1 ; 206.95,95.99 R35B1.1 ; 261.19,35.99 261.19,35.29 260.98,35.09 R56B1.1 261.19,35.99 ; 261.19,35.99 261.19,38.04 258.96,40.27 254.07,40.27 252.75,41.59 252.75,52.3 253.68,53.22 ; 180.34,35.64 174.65,41.33 174.65,50.9 v1(164.8,60.75) ; 180.34,35.64 R50B1.1 182.82,36.37 ; 179.52,55.12 R44B1.1 175.53,55.12 169.1,61.55 169.1,63.2 ; 53.55,109.1 51.65,96.85 45.6,90.8 ; 26.2,70.5 24.84,70.74 R14B1.1 21.48,71.42 ; 253.68,53.22 254.28,52.62 R49B1.1 257.12,52.62 ; 234.62,71.07 R42B1.1 232.17,71.07 231.73,70.62 ; 85.65,82.2 85.63,82.22 R8B1.1 ; 85.65,82.2 87.45,80.4 86.1,69.75 80.4,64.05 80.4,63.45 80.32,63.37 ; 85.65,82.2 88.78,85.32 89.43,89.9 90.8,91.27 v1(90.8,94.95) ; 190.37,85.97 R36B1.1 ; 190.37,85.97 187.65,83.25 187.65,73.04 193.64,67.04 ; 133.2,9.28 133.2,12.8 132.4,13.6 130.75,13.6 129.35,15 127.85,15 R29B1.1 127.38,15.47 ; 133.2,9.28 133.2,9.2 ; 133.2,9.28 133.2,9.2 ; 111.96,26.19 R24B1.1 109.58,23.82 ; 37.28,52.42 R18B1.1 39.12,52.12 40.4,53.4 ; 193.64,67.04 197.42,63.27 ; R58B1.1 142.72,14.32 v1(142.7,14.3) ; R58B1.1 147.97,14.03 151.25,10.75 v1(157.1,10.75) ; R58B1.1 147.97,21.28 145.35,23.9 145.35,29.5 144.57,30.28 R51B1.1 ; 80.32,63.37 R13B1.1 77.98,63.37 ; 228,89.45 228.27,89.72 R37B1.1 ; 228,89.45 226.6,88.05 226.6,75.75 231.73,70.62 ; v1(69.85,86.95) 69.8,86.9 69.8,78.12 64.25,72.57 ; 44.1,72.65 48.46,77.01 48.46,77.65 50.2,86.2 45.6,90.8 ; 44.1,72.65 44.1,71.15 46.5,68.75 44.9,57.9 40.4,53.4 ; v1(94.75,51) 95.63,51.88 R15B1.1 95.63,56.62 93,59.25 93,62.85 93.6,62.85 96.75,66 96.75,68.3 99.03,70.58 R10B1.1 99.03,75.98 102.7,79.65 105.9,79.65 109,82.75 v1(109.05,82.75) ; 64.25,72.57 R11B1.1 60.18,72.57 ; 45.6,90.8 44.67,89.87 R7B1.1 43.98,90.12 ; 40.4,53.4 41.98,52.57 43.83,50.72 41.4,38.3 36.22,33.12 R25B1.1 ; v1(68.1,91.3) 63.7,91.3 R6B1.1
  Bottom w0.254: v1(93.25,48.3) 93.25,49.5 v1(94.75,51) ; v1(69.85,86.95) 69.85,89.55 69.2,90.2 ; v1(167.05,64.85) 164.8,62.6 v1(164.8,60.75) ; 99.25,97.95 100.9,96.3 ; 99.25,97.95 96.25,94.95 v1(90.8,94.95) ; 99.25,97.95 v1(97,100.2) ; 100.9,96.3 v1(101.75,95.45) ; 100.9,96.3 103.1,96.3 109.65,89.75 109.65,83.35 v1(109.05,82.75) ; v1(252.36,35.69) v1(241.5,35.8) ; v1(157.1,10.75) v1(159.75,10.75) ; 69.2,90.2 69.55,90.55 69.55,95.85 v1(68.95,96.45) ; 69.2,90.2 v1(68.1,91.3) ; v1(142.7,14.3) 142.7,9.15 142.6,9.05 143.33,8.32 143.33,7.06 143.96,6.42 143.96,5.34 145.1,4.2 145.55,4.2 143.26,1.91 133.74,1.91 v1(131.52,4.13)
